# Altium PCB GSHT_V1.4_PCB.PcbDoc (part 1 of 2) (continued)
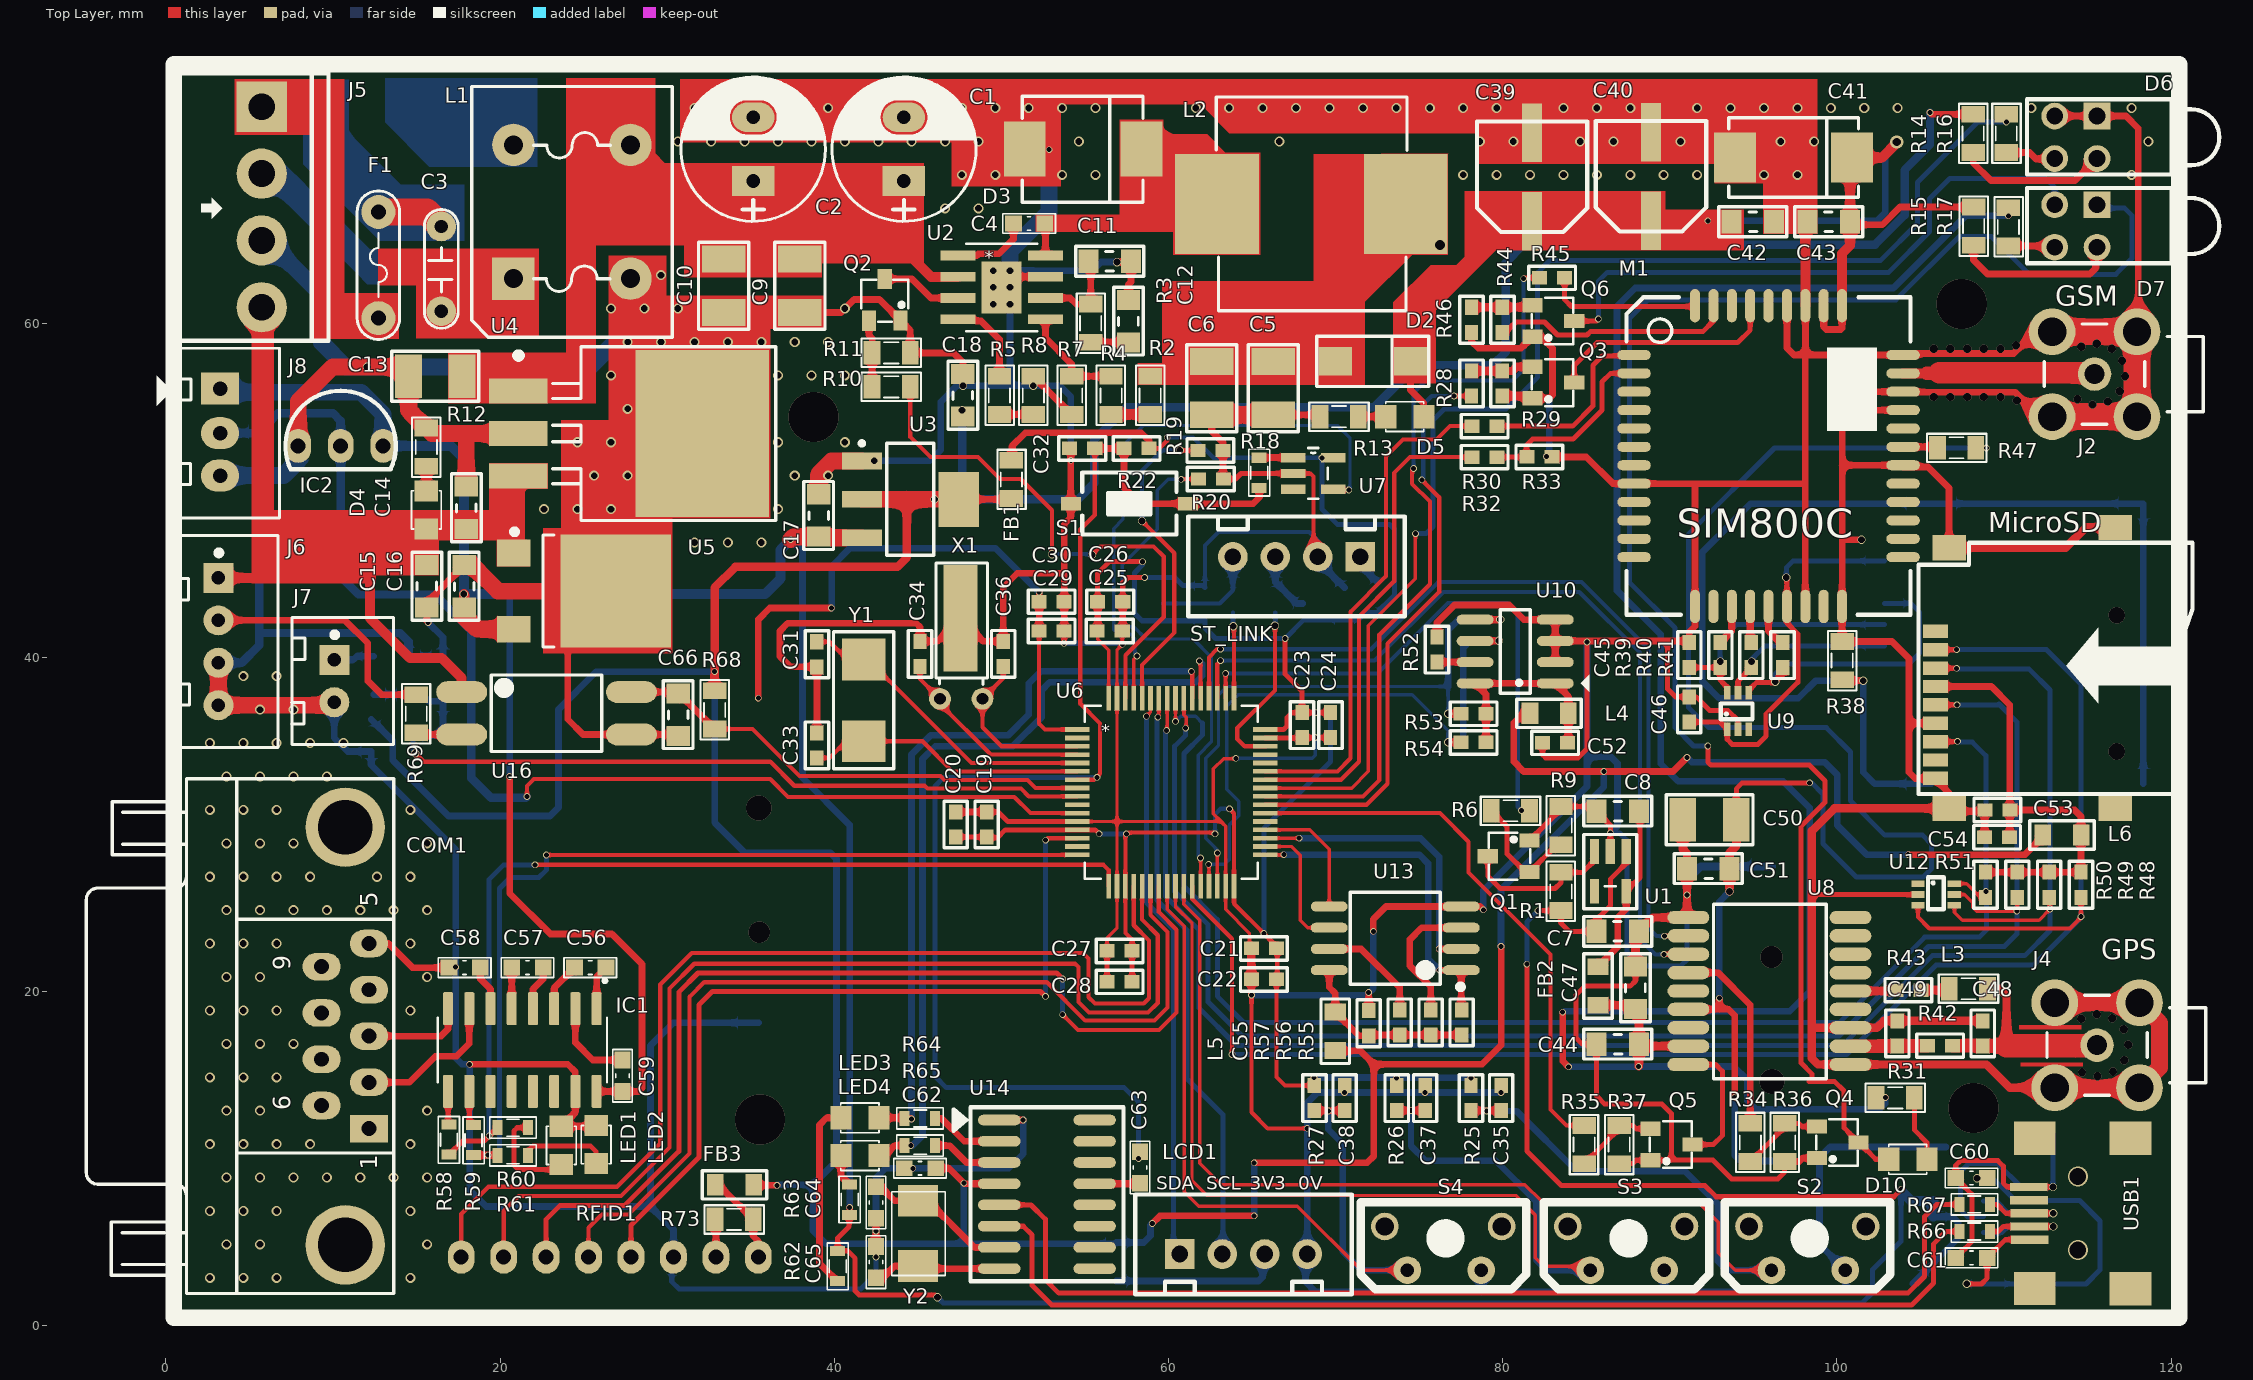
[diagram p0: Top Layer view]
## Footprints (in the part's own frame and the unit in brackets; to place one, negate y for a bottom-side part, rotate by r counter-clockwise, add the part's x,y. Pads: shape width x height; smd on the part's side, far side on the other; paste and mask are expansions set on the pad)
ABM7_v1_1_BIG [mm]
  rect 2.5x2.6 smd: 1(-2.45,0) 2(2.45,0)
  silkscreen extent -4.1,-1.8 4.1,1.8, body extent -3.1,-1.85 3.1,1.85, height 1.45
Antenna-MCX5.08-H5 [mm]
  round 2 hole 1.2: 1(0,0)
  round 2.8 hole 1.7: 2(-2.54,2.54) 2(-2.54,-2.54) 2(2.54,2.54) 2(2.54,-2.54)
  silkscreen extent -6.5,-3 3,3, body extent -11.6,-3.5 3.5,3.5, height 9.86
"BUTTON NGHIENG" [mil] "BUTTON NGHIENG"
  round 65 hole 43.31: 0(-123,93) 0(152,93)
  round 65 hole 31.5: 1(-70,-10) 2(104,-10)
  silkscreen extent -180,-55 210,150, body extent -150,-348 180,200, height 494
"C0603 SMT" [mm]
  rect 0.9x0.8 smd: 1(-0.75,0) 2(0.75,0)
  silkscreen extent -1.4,-0.7 1.4,0.7, body extent -0.8,-0.42 0.8,0.44, height 0.95
C_7343_40 [mm]
  rect 2.5x3 smd: 1(0,0) 2(7,0)
  silkscreen extent -0.38,-2.39 7.39,2.36, body extent -0.3,-2.3 7.3,2.3, height 4
C_Alu_6.3x7.7 [mm]
  rect 1.2x3.5 smd: 1(0,0) 2(0,-5.3)
  silkscreen extent -3.3,-5.97 3.3,0.64, body extent -3.3,-6.17 3.3,0.83, height 3.91
CAP_0603 [mm]
  rect 1x0.95 smd mask+0.076: 1(-0.94,0) 2(0.94,0)
  silkscreen extent -1.57,-0.58 1.57,0.58, body extent -0.77,-0.39 0.83,0.41, height 0.9
CAP_0805 [mm]
  rect 1.2x1.4 smd: 1(-1.27,-0.025) 2(1.27,-0.025)
  silkscreen extent -2.03,-0.91 2.03,0.86, body extent -1.01,-0.66 1.01,0.61, height 0.61
CN2 [mil]
  round 70 hole 31: 1(0,0) 2(200,0)
  silkscreen extent -40,-40 240,40, body extent -54,-44 260,55, height 407
CON_2.54mm_2 [mm]
  rect 1.8x1.8 hole 0.8: 1(0,0)
  round 1.8 hole 0.8: 2(2.54,0)
  silkscreen extent -2.54,-2.57 5.08,3.56, body extent -2.45,-2.2 5.05,3.55, height 7
CON_2.54mm_4 [mm]
  rect 1.8x1.8 hole 0.8: 1(0,0)
  round 1.8 hole 0.8: 2(2.54,0) 3(5.08,0) 4(7.62,0)
  silkscreen extent -2.54,-2.54 10.16,3.56, body extent -2.4,-2.25 10,3.5, height 7
CON_4P [mil]
  rect 70x70 hole 39.37 unplated: 1(0,0)
  round 70 hole 39.37 unplated: 2(100,0) 3(200,0)
  round 70 hole 39.37 unplated mask+4: 4(300,0)
  silkscreen extent -105,-95 405,140, body extent -96,-90 396,134, height 276
CP1.5/3.4 [mil] "Tu hoa 220->470uF,16V, 470uF/16V,25V"
  rect 70x100 hole 32: 1(0,0)
  oval 70x100 hole 32: 2(150,0)
  silkscreen extent -95,-170 245,170, body extent -85,-157 230,157, height 446
"CR1220 SMD" [mm] "CR1220 SMD"
  rect 2.5x4 smd: 1(-0.229,-8.661) 2(-0.229,8.966)
  silkscreen extent -7.08,-6.48 6.63,7.21, body extent -7.6,-9.18 7.15,10.02, height 4.55
DDA8_3P1X2P4-M [mm]
  rect 2.083x0.584 smd: 1(-2.616,1.905) 2(-2.616,0.635) 3(-2.616,-0.635) 4(-2.616,-1.905) 5(2.616,-1.905) 6(2.616,-0.635) 7(2.616,0.635) 8(2.616,1.905)
  round 0.8 hole 0.4: 9(-0.5,-1) 9(-0.5,0) 9(-0.5,1) 9(0.5,-1) 9(0.5,0) 9(0.5,1)
  rect 2.4x3.1 smd: 9(0,0)
  silkscreen extent -2.12,-2.62 2.12,2.62, body extent -3.1,-2.49 3.1,2.49, height 1.68
"DO-214AB SMA" [mm]
  rect 2x1.7 smd: 1(-0.092,0) 2(4.408,0)
  silkscreen extent -1.2,-1.5 5.5,1.51, body extent -0.37,-1.35 4.63,1.35, height 2.28
"DO-214AB SMC" [mm]
  rect 2.5x3.3 smd: 1(-0.092,0) 2(6.9,0)
  silkscreen extent -0.25,-3.17 6.98,3.17, body extent -0.7,-3.2 7.43,3.1, height 2.67
"DSB 9-F" [mil] "COM FMALE - D Subminiature; 9 Position; Right Angle; Pitch 1.385 mm"
  rect 65x90 hole 35: 1(-218.11,-55.91)
  oval 65x90 hole 35: 2(-109.06,-55.91) 3(0,-55.91) 4(109.05,-55.91) 5(218.11,-55.91) 6(-163.58,55.91) 7(-54.53,55.91) 8(54.53,55.91) 9(163.58,55.91)
  round 187.4 hole 128.35: 10(-491.93,0) 11(491.93,0)
  silkscreen extent -606,-114 606,610, body extent -604,-138 608,613, height 495
FUSE2 [mil]
  round 80 hole 35: 1(0,0) 2(250,0)
  silkscreen extent -50,-50 300,50
"GPS L70" [mm]
  oval 2.5x0.8 smd: 1(0,0) 2(0,-1.1) 3(0,-2.2) 4(0,-3.3) 5(0,-4.4) 6(0,-5.5) 7(0,-6.6) 8(0,-7.7) 9(0,-8.8) 10(9.7,-8.8) 11(9.7,-7.7) 12(9.7,-6.6) 13(9.7,-5.5) 14(9.7,-4.4) 15(9.7,-3.3) 16(9.7,-2.2) 17(9.7,-1.1) 18(9.7,0)
  silkscreen extent 1.5,-9.65 8.25,0.8, body extent 0,-9.45 9.7,0.65, height 2.52
Header3 [mil] "CON 3"
  rect 75x90 hole 34: 1(-5,0)
  oval 75x90 hole 34: 2(100,0) 3(200,0)
  silkscreen extent -100,-150 300,140, body extent -95,-90 295,136, height 276
Hed4V_3.96 [mm]
  rect 3x3 hole 1.6 mask+0.102: 1(0,0)
  round 3 hole 1.6 mask+0.102: 2(4,0) 3(8,0) 4(12,0)
  silkscreen extent -2,-5 14,4, body extent -1.93,-4.67 13.91,4.93, height 13.9
"L01 SMD 12*12*6" [mm]
  rect 5x6 smd: 1(-5.65,0) 2(5.65,0)
  silkscreen extent -5.69,-6.4 5.71,6.4, body extent -6.9,-6.4 6.9,6.4, height 7.5
"L2 UF9.8" [mm]
  rect 2.54x2.54 hole 1.143: 1(0,0)
  round 2.54 hole 1.143: 2(7,0) 3(7,8) 4(0,8)
  silkscreen extent -2.5,-3.5 9.5,11.5
"LED 2 holder 3mm" [mm]
  rect 1.6x1.6 hole 1: 1(0,0)
  round 1.6 hole 1: 2(0,2.54) 3(2.54,0) 4(2.54,2.54)
  silkscreen extent -7.32,-1 4.19,3.5, body extent -7.28,-0.9 3.72,3.42, height 9.65
LED-0805-Green [mil]
  rect 50x55 smd: 1(0,0) 2(90,0)
  silkscreen extent 0,-35 90,35, body extent 5,-25 85,25, height 43
LED-0805-Red [mil]
  rect 50x55 smd: 1(0,0) 2(90,0)
  silkscreen extent 0,-35 90,35, body extent 5,-25 85,25, height 43
LED-0805-Yellow [mil]
  rect 50x55 smd: 1(0,0) 2(90,0)
  silkscreen extent 0,-35 90,35, body extent 5,-25 85,25, height 43
LQFP-64 [mil]
  rect 58x11 smd: 1(-221.5,147.64) 2(-221.5,127.95) 3(-221.5,108.27) 4(-221.5,88.58) 5(-221.5,68.9) 6(-221.5,49.21) 7(-221.5,29.53) 8(-221.5,9.84) 9(-221.5,-9.84) 10(-221.5,-29.53) 11(-221.5,-49.21) 12(-221.5,-68.9) 13(-221.5,-88.58) 14(-221.5,-108.27) 15(-221.5,-127.95) 16(-221.5,-147.64) 33(221.5,-147.64) 34(221.5,-127.95) 35(221.5,-108.27) 36(221.5,-88.58) 37(221.5,-68.9) 38(221.5,-49.21) 39(221.5,-29.53) 40(221.5,-9.84) 41(221.5,9.84) 42(221.5,29.53) 43(221.5,49.21) 44(221.5,68.9) 45(221.5,88.58) 46(221.5,108.27) 47(221.5,127.95) 48(221.5,147.64)
  rect 11x58 smd: 17(-147.64,-221.5) 18(-127.95,-221.5) 19(-108.27,-221.5) 20(-88.58,-221.5) 21(-68.9,-221.5) 22(-49.21,-221.5) 23(-29.53,-221.5) 24(-9.84,-221.5) 25(9.84,-221.5) 26(29.53,-221.5) 27(49.21,-221.5) 28(68.9,-221.5) 29(88.58,-221.5) 30(108.27,-221.5) 31(127.95,-221.5) 32(147.64,-221.5) 49(147.64,221.5) 50(127.95,221.5) 51(108.27,221.5) 52(88.58,221.5) 53(68.9,221.5) 54(49.21,221.5) 55(29.53,221.5) 56(9.84,221.5) 57(-9.84,221.5) 58(-29.53,221.5) 59(-49.21,221.5) 60(-68.9,221.5) 61(-88.58,221.5) 62(-108.27,221.5) 63(-127.95,221.5) 64(-147.64,221.5)
  silkscreen extent -204,-204 204,204, body extent -236,-236 236,236, height 63
MAX232DR [mm] "SOP-16 MAX232DR"
  rrect25% 1.97x0.6 smd: 1(-2.5,4.394) 2(-2.5,3.124) 3(-2.5,1.854) 4(-2.5,0.584) 5(-2.5,-0.686) 6(-2.5,-1.956) 7(-2.5,-3.226) 8(-2.5,-4.496) 9(2.45,-4.496) 10(2.45,-3.226) 11(2.45,-1.956) 12(2.45,-0.686) 13(2.45,0.584) 14(2.45,1.854) 15(2.45,3.124) 16(2.45,4.394)
  silkscreen extent -4.27,-5.12 1.92,5.01, body extent -3.03,-5.03 2.97,4.87, height 1.75
MICROSD2 [mm]
  rect 0.8x1.5 smd: 1(-2.184,-5.039) 2(-1.084,-5.039) 3(0.016,-5.039) 4(1.116,-5.039) 5(2.216,-5.039) 6(3.316,-5.039) 7(4.416,-5.039) 8(5.516,-5.039) 9(6.616,-5.039)
  rect 1.5x2 smd: 10(8.407,-4.235) 11(8.407,5.715) 12(-8.407,5.715) 13(-7.188,-4.235)
  silkscreen extent -7.49,-6.07 7.54,10.33, body extent -7.49,-4.56 7.54,12.62, height 1.85
MICROSIM_PUSH [mm] "MICROSIM_PUSH"
  rect 0.8x2.3 smd: 1(6.452,-9.246) 2(5.182,-9.246) 3(3.912,-9.246) 4(2.642,-9.246) 5(1.372,-9.246) 6(0.102,-9.246)
  rect 1.8x3 smd: 7(-8.153,-6.452) 7(-8.153,6.248) 7(8.611,-6.452) 7(8.611,6.248)
  silkscreen extent -8.15,-9.25 8.36,8.28, body extent -8.12,-9.3 8.28,7.9, height 1.35
PC817x1SMD [mm] "SMD"
  oval 3.048x1.3 smd: 1(0,0) 2(0,-2.54) 3(10.16,-2.54) 4(10.16,0)
  silkscreen extent 1.78,-3.56 8.38,1.02, body extent 0.08,-3.56 10.08,1.02, height 3.87
"R0603 -SMT" [mm]
  rect 0.9x0.8 smd: 1(-0.8,0) 2(0.7,0)
  silkscreen extent -1.45,-0.7 1.35,0.7, body extent -0.85,-0.4 0.85,0.4, height 0.56
R0805 [mm]
  rect 1x1.27 smd: 1(-1.125,-0.011) 2(1.175,-0.011)
  silkscreen extent -1.91,-0.86 1.96,0.84, body extent -1.1,-0.69 1.2,0.66, height 0.76
RES-SMD-0603 [mm]
  rect 0.6x0.9 smd: 1(-0.889,0) 2(0.927,0)
  silkscreen extent -1.4,-0.64 1.4,0.64, body extent -0.8,-0.4 0.8,0.4, height 0.43
RES-SMD-0805 [mil]
  rect 39.37x55 smd: 1(-45,0) 2(45,0)
  silkscreen extent -70,-34 70,33, body extent -39,-25 39,25, height 31
"RFID RC522" [mm] "RFID RC522"
  oval 1.6x2 hole 0.9: 1(-8.89,0) 2(-6.35,0) 3(-3.81,0) 4(-1.27,0) 5(1.27,0) 6(3.81,0) 7(6.35,0) 8(8.89,0)
  body extent -19.43,-2.03 20.57,57.97, height 15.74
SIM800C [mm]
  oval 2x0.6 smd: 1(-8.05,6.05) 2(-8.05,4.95) 3(-8.05,3.85) 4(-8.05,2.75) 5(-8.05,1.65) 6(-8.05,0.55) 7(-8.05,-0.55) 8(-8.05,-1.65) 9(-8.05,-2.75) 10(-8.05,-3.85) 11(-8.05,-4.95) 12(-8.05,-6.05) 22(8.05,-6.05) 23(8.05,-4.95) 24(8.05,-3.85) 25(8.05,-2.75) 26(8.05,-1.65) 27(8.05,-0.55) 28(8.05,0.55) 29(8.05,1.65) 30(8.05,2.75) 31(8.05,3.85) 32(8.05,4.95) 33(8.05,6.05)
  oval 0.6x2 smd: 13(-4.4,-9) 14(-3.3,-9) 15(-2.2,-9) 16(-1.1,-9) 17(0,-9) 18(1.1,-9) 19(2.2,-9) 20(3.3,-9) 21(4.4,-9) 34(4.4,9) 35(3.3,9) 36(2.2,9) 37(1.1,9) 38(0,9) 39(-1.1,9) 40(-2.2,9) 41(-3.3,9) 42(-4.4,9)
  silkscreen extent -8.5,-9.5 8.5,9.5, body extent -7.85,-8.8 7.85,8.8, height 1.9
SM-1210 [mm]
  rect 1.6x2.6 smd: 1(0,0) 2(3.2,0)
  silkscreen extent -1,-1.5 4.2,1.5, body extent 0,-1.25 3.2,1.25, height 2.5
SO16 [mm]
  oval 2.54x0.635 smd: 1(-2.854,4.445) 2(-2.854,3.175) 3(-2.854,1.905) 4(-2.854,0.635) 5(-2.854,-0.635) 6(-2.854,-1.905) 7(-2.854,-3.175) 8(-2.854,-4.445) 9(2.854,-4.445) 10(2.854,-3.175) 11(2.854,-1.905) 12(2.854,-0.635) 13(2.854,0.635) 14(2.854,1.905) 15(2.854,3.175) 16(2.854,4.445)
  silkscreen extent -5.59,-5.21 4.57,5.21, body extent -3.47,-4.95 3.47,4.95, height 1.75
SO-8 [mm] "8-Pin Small Outline Integrated Circuit 1.27 mm Pitch, IPC Medium Density"
  oval 2.2x0.6 smd: 1(-2.4,1.905) 2(-2.4,0.635) 3(-2.4,-0.635) 4(-2.4,-1.905) 5(2.4,-1.905) 6(2.4,-0.635) 7(2.4,0.635) 8(2.4,1.905)
  silkscreen extent -4.44,-2.5 0.9,2.5, body extent -2.89,-2.43 3.15,2.59, height 1.6
"SO-8 208" [mm]
  oval 2.2x0.6 smd: 1(-3.95,1.905) 2(-3.95,0.635) 3(-3.95,-0.635) 4(-3.95,-1.905) 5(3.95,-1.905) 6(3.95,-0.635) 7(3.95,0.635) 8(3.95,1.905)
  silkscreen extent -4.03,-2.75 2.7,3.02, body extent -4.1,-2.7 4.1,2.7, height 2.2
SOT23 [mm] "SOT 23 _ 1-3-2"
  rect 0.85x1.2 smd: 1(-0.94,-1.245) 2(0.985,-1.25) 3(0.005,1.25)
  silkscreen extent -0.88,-0.25 -0.64,0, body extent -1.47,-1.33 1.53,1.17, height 1.06
SOT23-6 [mm] "SOT23, 5-Leads, Body 3.0x3.0mm (max), Pitch 0.95mm, IPC Medium Density"
  rect 1.5x0.6 smd: 1(-1.5,0.95) 2(-1.5,0) 3(-1.5,-0.95) 4(1.5,-0.95) 5(1.5,0) 6(1.5,0.95)
  silkscreen extent -2.54,-2.11 2.54,2.11, body extent -1.75,-1.52 1.75,1.53, height 1.45
SOT23B [mm]
  rect 0.85x1.2 smd: 1(0.94,-1.245) 2(0,1.25) 3(-0.95,-1.25)
  silkscreen extent -1.4,-1.3 1.4,1.2, body extent -1.5,-1.3 1.5,1.2, height 1.06
SOT223-4N [mm]
  rect 2.4x1 smd: 1(-2.9,2.3) 2(-2.9,0) 3(-2.9,-2.3)
  rect 2.4x3.3 smd: 4(2.9,0)
  silkscreen extent -3.02,-3.35 1.4,3.47, body extent -3.39,-3.27 3.5,3.23, height 1.72
SOT_363_6 [mm]
  rect 0.8x0.4 smd: 1(-2.179,0) 2(-2.179,-0.65) 3(-2.179,-1.3) 4(0,-1.3) 5(0,-0.65) 6(0,0)
  silkscreen extent -1.57,-1.52 -0.63,0.38, body extent -2.29,-1.76 0.11,0.44, height 1.1
SW-SMD [mm] "Switch SMD type"
  rect 1.2x0.8 smd: 1(-3.5,0) 2(3.5,0)
  silkscreen extent -2.82,-1.85 2.82,1.85, body extent -3.05,-1.85 3.05,1.85, height 2.5
TLV70233_3.3V [mil]
  rect 58x22 smd: 1(0,0) 2(0,-37.4) 3(0,-74.8) 4(94,-74.8) 5(94,0)
  silkscreen extent -40,-100 135,25, body extent -10,-95 102,20, height 41
TO92 [mil] "TO, Flat Index; 3 In-Line, Axial Leads; Body Dia. 4.8mm"
  oval 80x60 hole 35.43: 1(0,-100) 2(0,0) 3(0,100)
  silkscreen extent -130,-130 55,130, body extent -95,-104 66,114, height 336
TO252-3L [mm]
  rect 2x1.6 smd: 1(-4.3,2.28) 3(-4.3,-2.28)
  rect 6.6x6.75 smd: 2(1.8,0)
  silkscreen extent -4.37,-3.35 -1.9,3.67, body extent -4.91,-3.27 5.03,3.27, height 2.34
TO-263-4 [mm]
  rect 3.5x1.5 smd: 1(0,-2.54) 2(0,0) 3(0,2.54)
  rect 8x10 smd: 4(-11,0)
  silkscreen extent -15.4,-5.2 0.12,5.2, body extent -13.97,-5 1.7,5, height 4.78
TPS3828 [mil]
  rect 58x22 smd: 1(-2,37.4) 2(-2,0) 3(-2,-37.4) 4(92,-37.4) 5(92,37.4)
  silkscreen extent 33,-60 80,60, body extent -16,-58 96,57, height 50
USB-B-Mini [mm]
  rect 2x2.5 smd: 0(-4.5,0) 0(-4.496,5.74) 0(4.5,0) 0(4.504,5.74)
  rect 0.5x2.25 smd: 1(1.575,-0.305) 2(0.787,-0.317) 3(0,-0.33) 4(-0.787,-0.343) 5(-1.575,-0.356)
  body extent -5.35,-0.67 5.35,8.53, height 3.95
XT32kn [mm]
  round 1.3 hole 0.7: 1(0,0) 2(0,2.54)
  rect 6.35x2.032 smd: 3(4.826,1.321)
  silkscreen extent 0.86,-0.3 8.13,2.77, body extent -0.25,0.12 8.1,2.42, height 1.95
XTAL-5032 [mm] "SMD 5032 XTAL Footprint"
  rect 1.9x2.4 smd: 1(-1.981,0) 2(1.93,0)
  silkscreen extent -2.51,-1.57 2.49,1.63, body extent -2.5,-1.6 2.5,1.6, height 1.31

## Part data
BT1 BT2: "Battery 3VDC"
C1 C2: library part CP3, "Cap 100uF/35V - 470uF/16V", Description 1="1000uF/6,3V - 470uF/16V - 330uF - 25V", Description 2="220uF/35V - 100uF/50V - 63V - 4,7uF/200V", Description 3="22uF => 33uF100V - 3,3uF => 4,7uF/250V", Description 4="2,2uF =>3,3uF/350 - 2,2uF/400V - 1uF/450V"
C3: library part CN, Designed by=VanDungEvn
C4 C5 C6 C7 C8 C11 C12 C14 C15 C16 C17 C18: library part CM_1, "Cap SMD"
C9 C10 C13: library part CM, "CAP CER 2.2UF 100V X7R 1210  445-4498-2-ND"
C19 C20 C21 C22 C23 C24 C25 C26 C27 C28 C29 C30 C31 C32 C33 C34 C35 C36 C37 C38 C42 C43 C44 C45 C46 C47 C48 C49 C50 C51 C52 C53 C54 C55 C67: library part CM, "Cap SMD"
C39 C40: library part C-Alu-Tantalum, "Cap Aluminum", Description 1="10 => 220uF/6,3V/10V - 10uF => 100uF/16V", Description 2="0,1uF => 33uF/50V - 10uF => 22uF/63V", Description 3="0,47uF => 10uF/100V"
C41: library part C-Alu-Tantalum, "Cap Tantalum 7343", Description 1="10 => 220uF/6,3V/10V - 10uF => 100uF/16V", Description 2="0,1uF => 33uF/50V - 10uF => 22uF/63V", Description 3="0,47uF => 10uF/100V"
C56 C57 C58 C59 C60 C61 C62 C63 C64 C65 C66: library part CapSMD, "Capacitor", LatestRevisionDate=17-Jul-2002, LatestRevisionNote="Re-released for DXP Platform.", PackageReference=RAD-0.3, Published=8-Jun-2000, Publisher="Altium Limited"
COM1: library part DSB9F, "COM 9", PackageDocument=O, DatasheetDocument=1-Sep-1999, Gender=Receptacle, LatestRevisionDate=17-Jul-2002, LatestRevisionNote="Re-released for DXP Platform.", Orientation="Right Angle", PackageReference=788750, Positions=9, Published=15-Jun-2001, Publisher="Altium Limited"
D1 D3: library part D5A, "DIODE SCHOTTKY 60V 5A SMC"
D2: library part D1A, "DIODE SCHOTTKY 40V 3A SMC"
D4 D5 D10: library part LED, "LED Single colour Green and Red"
D6 D7: library part LED2Holder_3mm, "LED 2 holder RGB 3mm"
D8 D9 D12: "ZENER, SOT23,", Current - Average Rectified (Io) (per Diode)=200mA, Current - Reverse Leakage @ Vr="2.5µA @ 70V", Manufacturer="ON Semiconductor / Fairchild", Manufacturer Part Number=BAV99, Package / Case="TO-236-3, SC-59, SOT-23-3", Standard Package=1, Supplier Device Package="SOT-23-3 (TO-236)", Supplier Part Number 1=BAV99FSCT-ND, Voltage - DC Reverse (Vr) (Max)=70V, Voltage - Forward (Vf) (Max) @ If="1.25V @ 150mA", .CheckPCB=LeKhaLinh, .CheckSCH=LeKhaLinh, .Creator=LeKhaLinh, Category="Discrete Semiconductor Products", ComponentLink1Description=https://www.fairchildsemi.com/package-drawings/MA/MA03B.pdf?src-supplier=Digi-Key, ComponentLink1URL=https://www.fairchildsemi.com/package-drawings/MA/MA03B.pdf?src-supplier=Digi-Key, ComponentLink2Description=http://www.farnell.com/datasheets/1822674.pdf?src-supplier=Element14, ComponentLink2URL=http://www.farnell.com/datasheets/1822674.pdf?src-supplier=Element14, ComponentLink3Description=http://www.mouser.com/ds/2/149/BAV99-22788.pdf?src-supplier=Mouser, ComponentLink3URL=http://www.mouser.com/ds/2/149/BAV99-22788.pdf?src-supplier=Mouser, ComponentLink4Description=http://www.fairchildsemi.com/ds/BA/BAV99.pdf?src-supplier=Avnet+Europe, ComponentLink4URL=http://www.fairchildsemi.com/ds/BA/BAV99.pdf?src-supplier=Avnet+Europe, ComponentLink5Description=https://www.verical.com/server-webapp/html/getDatasheet?partID=110217&src-supplier=Verical, ComponentLink5URL=https://www.verical.com/server-webapp/html/getDatasheet?partID=110217&src-supplier=Verical, ComponentLink6Description=http://www.farnell.com/datasheets/2304409.pdf?src-supplier=Element14, ComponentLink6URL=http://www.farnell.com/datasheets/2304409.pdf?src-supplier=Element14, Diode Configuration="1 Pair Series Connection", Diode Type=Standard, Family="Diodes, Rectifiers - Arrays", Mounting Type="Surface Mount", Online Catalog="Diode Array", Other Drawings="Diode Circuit", Other Names=BAV99FSDKR, Packaging=Digi-Reel®, PCN Assembly/Origin="SOT23 Manufacturing Source 31/May2013 /  / Assembly Site Addition 20/Jul/2015", PCN Design/Specification="Mold Compound 12/Dec/2007", PCN Packaging="Binary Year Code Marking 15/Jan/2014", Pricing 1="1=0.26, 10=0.21, 100=0.1115, 500=0.0734, 1000=0.0499 (USD)", Pricing 3="1=0.1933, 10=0.1873, 25=0.1555, 100=0.0806, 250=0.0724, 500=0.0523, 1000=0.0428, 3000=0.0342 (USD)", Reverse Recovery Time (trr)=6ns, Speed="Small Signal =", Stock 1=1165, Stock 2=0, Stock 3=5700, Supplier 1=Digi-Key, Supplier 2=Mouser, Supplier 3=Arrow, Supplier Part Number 2=512-BAV99, Supplier Part Number 3=BAV99
D11: library part D1A_1, "Diode 1A"
F1: library part Fuse, "PTC RESET FUSE 60V 3A RADIAL", Designed by=VanDungEvn
FB1 FB2 FB3 FB4: library part "Ferrite Bead", "Ferrite Bead"
IC1: "Dual EIA-232 Driver/Receiver"
IC2: library part DS18S20, "High Precision  1-Wire® Digital Thermometer"
J2 J4: library part ANTEN
J5: library part Hed4, "Header 4 (Green)"
J6: library part Con4, "Connector 4"
J7: library part Con2, "Connector 2"
J8: library part Header3, "Header IDC, 3 x 1 Pin Vertical 2.54mm Pitch (Non-Boxed, Male)", Manufacturer="W¨¹rth Elektronik eiSos GmbH", partNo=613002143121, ComponentLink1 Description=Manufacturer, ComponentLink1URL=http://www.we-online.com, ComponentLink2 Description=Datasheet, ComponentLink2URL=http://katalog.we-online.de/em/datasheet/6130xx143121.pdf, Created by="Karrer Zheng", Created Date="29 March 2013", NoPins=02
L1: library part L2x220, "Inductor", Designed by=VanDungEvn
L2: library part L1, "FIXED IND 6.2UH 5.7A 22.4 MOHM"
L3: library part L1, "Inductor"
L4 L5 L6: library part "Ferrite Bead", "100uH 0805"
LED1 LED2 LED3 LED4: "LED Single colour Green and Red"
MicroSD: library part MicroSD, "SD/MMC holder", Name=SD/MMC, Price=10000
Q1 Q2 Q3 Q4 Q5 Q6: "NPN 600mW, ECB", =C2383
R1 R2 R3 R4 R5 R6 R7 R8 R9 R10 R11 R12 R13 R14 R15 R16 R17 R18 R19 R20 R21 R22 R23 R24 R25 R26 R27 R28 R29 R30 R31 R32 R33 R34 R35 R36 R37 R38 R39 R40 R41 R42 R43 R44 R45 R46 R47 R48 R49 R50 R51 R52 R53 R54 R55 R56 R57 R66 R67 R68 R69 R70 R71 R72 R73: library part RM, "Resistor SMD"
R58 R59 R60 R61 R62 R63 R64 R65: library part "Resistor - SMD", "Resistor", Manufacturer="Generic Components", Class=Passive, Published=08/06/2000, Publisher="Altium Hobart Technology Centre"
RFID1: library part "RFID RC522"
S1 S2 S3 S4: "Switch", LatestRevisionDate=17-Jul-2002, LatestRevisionNote="Re-released for DXP Platform.", PackageReference=SPST-2, Published=24-Mar-1999, Publisher="Altium Limited"
ST_LINK: library part Header4, "Header IDC, 4 x 1 Pin Vertical 2.54mm Pitch (Non-Boxed, Male)", Manufacturer="W¨¹rth Elektronik eiSos GmbH", partNo=613002143121, ComponentLink1 Description=Manufacturer, ComponentLink1URL=http://www.we-online.com, ComponentLink2 Description=Datasheet, ComponentLink2URL=http://katalog.we-online.de/em/datasheet/6130xx143121.pdf, Created by="Karrer Zheng", Created Date="29 March 2013", NoPins=02
U1: library part TLV70233_3.3V
U2: "REG BUCK SPLIT RAIL 8SOPWRPAD", Built_By=EMA_UL_Team, C="Copyright (C) 2015 Accelerated Designs. All rights reserved", Manufacturer_Part_Number=TPS54360DDA, Vendor="TEXAS INSTRUMENTS"
U3: library part LM1117, "3v3"
U4: library part LM78xx_1, =LM7808
U5: library part LM78xx, "On ap +, from + 5 to + 24VDC", =LM7808
U6: "MCU 32BIT 256KB FLASH 64LQFP"
U9 U12: "ESD Protection"
U10: library part AT24Cxx
U13: library part W25Q32JV, "FLASH 32MBIT 133MHZ 8SOP"
U14: "High and Low Side Driver", ComponentLink1Description="Manufacturer Link", ComponentLink1URL=http://www.irf.com/, ComponentLink2Description=Datasheet, ComponentLink2URL=http://www.irf.com/product-info/datasheets/data/ir2110.pdf, DatasheetVersion=PD60147J, LatestRevisionDate=04-Mar-2005, LatestRevisionNote="Stylized 3D Model Added.", Note="Pins 4, 8 and 14 are not connected", PackageDescription="DIP; 14 Leads; Row Spacing 7.62 mm; Pitch 2.54 mm", PackageReference=PDIP14, Published=8-Jun-2000, Publisher="Altium Limited"
U15: "TVS DIODE 5V"
U16: "Single Opto"
USB1: library part USB-M
X1: library part XT32k, "Crystal 32,768kHz for timer real"
Y1: library part ABM7-16.000MHZ-D2Y-T, "CRYSTAL 16MHZ 18PF SMD", ESR (Equivalent Series Resistance)="50 Ohm", Frequency=16MHz, Frequency Stability=±30ppm, Frequency Tolerance=±20ppm, Load Capacitance=18pF, Manufacturer="Abracon LLC", Operating Mode=Fundamental, Operating Temperature="-40°C ~ 85°C", Package / Case=2-SMD, Ratings=-, Supplier Part Number 1=535-9840-1-ND, .Checked PCB=RF, .Checked SCH=RF, .Creator=MM, Category="Crystals and Oscillators", ComponentLink1Description=http://www.abracon.com/Resonators/abm7.pdf, ComponentLink1URL=http://www.abracon.com/Resonators/abm7.pdf, Height="0.055\" (1.40mm)", Manufacturer Part Number=ABM7-16.000MHZ-D2Y-T, Mounting Type="Surface Mount", Packaging="Cut Tape (CT)", Pricing 1="1=0.96, 10=0.847, 50=0.791, 100=0.7, 500=0.6615 (USD)", RoHS="RoHS Compliant", Size / Dimension="0.236\" L x 0.138\" W (6.00mm x 3.50mm)", Stock 1=5861, Supplier 1=Digi-Key, Type="MHz Crystal"
Y2: library part XTAL, "Crystal Oscillator", LatestRevisionDate=17-Jul-2002, LatestRevisionNote="Re-released for DXP Platform.", PackageReference=R38, Published=8-Jun-2000, Publisher="Altium Limited"

## Via types
v1: diameter 0.6, hole 0.4, Top Layer to Bottom Layer, 177 vias
v2: diameter 0.4, hole 0.3, Top Layer to Bottom Layer, 126 vias
v3: diameter 0.5, hole 0.4, Top Layer to Bottom Layer, 32 vias
v4: diameter 0.5, hole 0.5, Top Layer to Bottom Layer, 30 vias
v5: diameter 3, hole 3, Top Layer to Bottom Layer, 4 vias
v6: diameter 1, hole 1, Top Layer to Bottom Layer, 2 vias
v7: diameter 1.3, hole 1.3, Top Layer to Bottom Layer, 2 vias
v8: diameter 1.5, hole 1.5, Top Layer to Bottom Layer, 2 vias
v9: diameter 1.2, hole 1, Top Layer to Bottom Layer, 2 vias
v10: diameter 0.8, hole 0.6, Top Layer to Bottom Layer, 1 vias
v11: diameter 0.8, hole 0.5, Top Layer to Bottom Layer, 1 vias

## Nets (pads, with @x,y where several pads share a name; then routed paths per layer and width w, separated by ;. In a path a pad name is that pad's centre, name@x,y a point inside that pad or via, vN(x,y) a via of type N, cw(c..) or ccw(c..) an arc to the next point about the centre after c; other vN are vias at no path point)
+3V3: C18.2 C62.2 D12.2 FB1.1 FB3.1 FB4.1 L4.1 L5.1 L6.1 R14.2 R68.2 U3.2 U3.4 U14.4 | length 311.2
  Top Layer w0.4: FB3.1@35.179,8.433 35.204,8.407 v2(36.576,8.407) ; C62.2@46.076,9.423 46.863,9.423 v2(47.752,8.534) 47.784,8.502 U14.4@49.877,8.502 ; U3.4@47.452,49.454 50.241,49.454 FB1.1@50.267,49.479 ; v2(59.03,6.121) 59.487,6.579 v2(65.126,6.579) ; v2(65.126,9.754) 71.882,9.754 72.288,10.16 72.288,15.646 ; L5.1@69.976,16.472 69.976,16.45 71.485,16.45 72.288,15.646 ; v2(79.903,22.708) 79.908,22.702 79.908,16.785 78.77,15.646 72.288,15.646 ; L4.1@81.629,36.652 81.255,36.652 80.67,36.068 80.67,33.757 81.255,33.172 v2(86.055,33.172) 90.195,33.172 v2(91.034,34.011) ; v2(104.267,28.194) 111.252,28.194 112.319,29.261 L6.1@112.319,29.362 ; v2(105.575,72.606) 105.689,72.492 R14.2@108.153,72.492
  Top Layer w0.5: R68.2@32.842,37.998 v2(32.842,39.141) 32.842,44.171 34.087,45.415 43.783,45.415 44.348,45.981 44.348,49.454
  Top Layer w1: U3.2@41.652,49.454 44.348,49.454 v3(45.999,49.454) U3.4@47.452,49.454
  Bottom Layer w0.4: D12.2@12.288,36.291 13.589,34.991 13.589,33.833 16.916,30.505 22.987,30.505 23.495,31.013 23.495,36.881 25.756,39.141 v2(32.842,39.141) 32.842,30.124 34.671,28.296 39.776,28.296 40.132,27.94 40.132,9.855 38.71,8.433 ; v2(36.576,8.407) 36.601,8.433 38.71,8.433 ; v2(47.752,8.534) 47.752,4.902 ; v2(59.03,6.121) 58.928,6.02 58.928,5.385 58.522,4.978 FB4.1@56.871,4.978 56.794,4.902 47.752,4.902 ; v2(65.126,6.579) v2(65.126,9.754) ; v2(79.903,22.708) 79.903,26.106 86.055,32.258 v2(86.055,33.172) ; v2(91.034,34.011) 91.313,33.731 99.263,33.731 100.025,32.969 100.025,29.947 101.778,28.194 v2(104.267,28.194) ; 38.71,8.433 38.71,5.715 39.522,4.902 47.752,4.902
  Bottom Layer w0.5: v3(45.999,49.454) 47.244,49.454 ; v3(47.65,54.788) 47.65,49.86 47.244,49.454 ; v2(105.575,72.606) 105.575,70.675 104.057,69.157 104.057,66.465 102.286,64.694 81.255,64.694 80.188,63.627 80.188,58.268 79.4,57.48 74.828,57.48 72.314,54.966 57.506,54.966 55.55,53.01 55.55,50.419 54.585,49.454 47.244,49.454
+3V3_EEPROM: C52.2 L4.2 R53.1 R54.1 U10.1 U10.8 | length 12.5
  Top Layer w0.4: R54.1@79.007,34.911 R53.1@79.007,36.625 79.007,37.783 U10.8@78.347,38.443 U10.1@83.147,38.443 83.929,37.661 L4.2@83.929,36.652 83.929,34.929 C52.2@83.884,34.885
+3V3_FLASH: C55.1 L5.2 R55.2 R56.2 R57.2 U13.8 | length 10.8
  Top Layer w0.4: U13.8@69.621,21.279 69.621,20.261 69.976,19.905 L5.2@69.976,18.772 71.394,17.354 C55.1@71.984,17.354 72.034,17.404 R57.2@73.838,17.404 R56.2@75.692,17.404 R55.2@77.546,17.404
+3V3_GPS: C8.2 FB2.1 U1.5 | length 10.4
  Top Layer w0.3: U1.5@87.39,25.994 88.214,26.818 88.214,30.733 C8.2@88.152,30.795
  Top Layer w0.4: FB2.1@85.703,21.483 86.878,22.658 86.878,24.419 87.39,24.932 U1.5@87.39,25.994
+3V3_LCD: FB4.2 LCD1.3 | length 10.4
  Bottom Layer w0.4: FB4.2@56.871,2.678 65.391,2.678 65.634,2.921 65.634,4.166 LCD1.3@65.761,4.293 LCD1.3@65.844,4.209
+3V3_MCU: C19.2 C20.2 C21.2 C22.2 C23.2 C24.2 C25.2 C26.2 C27.2 C28.2 D8.2 D9.2 FB1.2 R21.2 R22.2 R25.2 R26.2 R27.2 U6.13 U6.19 U6.32 U6.48 U6.64 U7.5 | length 147.2
  Top Layer w0.2: C25.2@55.765,41.619 55.765,41.085 56.423,40.428 U6.64@56.423,37.554
  Top Layer w0.25: v2@57.423,29.33 U6.19@57.423,26.302 57.423,23.502 57.824,23.101 ; v2@57.607,29.515 62.713,29.515 v2(62.789,29.439) ; R22.2@58.841,52.502 59.463,52.502 59.923,52.961 v2(59.923,53.162) ; v2(63.652,30.937) 63.923,30.667 U6.32@63.923,26.302 63.923,25.257 v2(65.71,23.47) 66.51,22.669 66.51,20.777 C22.2@66.46,20.726 66.46,14.896 66.98,14.376 R27.2@68.732,14.376
  Top Layer w0.3: C20.2@47.269,29.247 C19.2@49.124,29.247 49.161,29.21 49.773,29.21 50.241,29.678 U6.13@54.546,29.678 55.615,29.678 v2(55.855,29.439) ; C26.2@55.765,43.332 55.765,45.021 56.49,45.745 58.42,45.745 v2(58.445,45.72) ; C28.2@57.824,20.579 C27.2@57.824,22.433 57.824,23.101 ; U6.48@65.799,35.678 66.891,35.678 67.081,35.868 67.081,36.387 67.385,36.691 C23.2@67.996,36.691 ; v2(66.98,41.123) 66.98,38.989 67.996,37.973 C23.2@67.996,36.691 ; C24.2@69.698,36.691 v2(68.809,36.691) C23.2@67.996,36.691
  Top Layer w0.4: FB1.2@50.597,51.791 50.648,51.841 50.648,52.654 51.435,53.442 58.369,53.442 58.841,52.97 R22.2@58.841,52.502 ; C25.2@55.765,41.619 C26.2@55.765,43.332 ; v2(68.707,14.859) 68.707,14.834 68.732,14.808 R27.2@68.732,14.376 ; R26.2@73.66,14.376 v2(73.66,14.834) ; R25.2@78.105,14.377 v2(78.105,14.834)
  Bottom Layer w0.25: v2(59.923,53.162) 61.468,53.162 62.687,51.943 v2(69.19,51.943) ; v2(62.789,29.439) 62.789,30.607 63.119,30.937 v2(63.652,30.937)
  Bottom Layer w0.3: v2(55.855,29.439) v2(57.48,29.439) ; v2(58.445,45.72) 58.445,45.534 57.963,45.051 57.963,42.643 58.417,42.189 62.129,42.189 D9.2@62.185,42.245 62.185,41.752 62.814,41.123 v2(66.98,41.123) 68.103,42.245 D8.2@70.536,42.245 71.379,42.245 71.819,42.685 R21.2@72.491,42.685 73.533,43.727 73.533,47.65 73.228,47.955 70.104,47.955 69.19,48.87 v2(69.19,51.943) ; v2(65.71,23.47) 65.71,29.769 69.698,33.757 69.698,36.386 69.393,36.691 v2(68.809,36.691)
  Bottom Layer w0.4: v2(68.707,14.859) 73.635,14.859 v2(73.66,14.834) v2(78.105,14.834)
+3V3_RFID: FB3.2 R73.2 RFID1.8 | length 5.6
  Top Layer w0.4: FB3.2@32.879,8.433 33.092,8.433 R73.2@35.154,6.371 35.154,5.359 35.458,5.055 RFID1.8@35.458,3.988
+3V3_SD: C53.2 C54.2 L6.2 MicroSD.4 R48.2 R49.2 R50.2 R51.2 | length 26.2
  Top Layer w0.4: MicroSD.4@105.908,38.254 109.243,38.254 110.34,37.158 C53.2@110.34,30.993 ; R51.2@108.89,27.141 R50.2@110.795,27.141 R49.2@112.7,27.141 R48.2@114.605,27.141 L6.2@114.605,29.348 ; C54.2@110.34,29.235 110.34,30.861 C53.2@110.351,30.861 114.224,30.861 114.605,30.48 L6.2@114.605,29.348 ; L6.2@114.619,29.362 L6.2@114.605,29.348
+4V2: C5.2 C6.2 D2.1 L2.2 R2.2 | length 22
  Top Layer w1: R2.2@58.903,56.82 59.919,56.82 60.808,57.709 C6.2@62.586,57.709 C5.2@66.269,57.709 D2.1@69.987,57.709 69.987,62.127 L2.2@74.332,66.472
  other v10: 76.251,64.668
+4V_GSM: C39.1 C40.1 C41.1 C42.1 C43.1 D2.2 D5.1 M1.34 M1.35 R15.2 | length 68.3
  Top Layer w0.4: D2.2@74.487,57.709 74.487,55.993 75.286,55.194 D5.1@75.286,54.407 ; M1.35@99.21,61.045 99.21,59.768 99.365,59.614 100.228,59.614 100.31,59.696 M1.34@100.31,61.045 ; C43.1@100.787,66.065 100.965,65.888 102.718,65.888 103.774,66.944 R15.2@108.179,66.944
  Top Layer w0.6: M1.34@100.31,61.045 100.31,64.166 100.787,64.643 C43.1@100.787,66.065 100.787,69.779 C41.1@100.909,69.901 102.692,69.901 103.581,70.79 v11(103.581,70.841)
  Top Layer w0.8: C39.1@81.763,66.091 88.841,66.091 C40.1@88.875,66.125 v2(92.278,66.125) 93.641,66.125 C42.1@93.701,66.065
  Top Layer w1: D2.2@74.487,57.709 74.487,61.234 76.219,62.967 77.445,62.967 78.613,64.135 78.613,65.176 79.527,66.091 C39.1@81.763,66.091
  Bottom Layer w0.4: v2(92.278,66.125) 102.396,66.125 102.895,66.624 102.895,70.155 v11(103.581,70.841)
+5V: C7.2 C16.2 C17.2 C59.2 D11.2 IC1.16 IC2.3 J8.1 R1.2 R62.2 R63.2 R70.2 U1.1 U3.3 U5.3 U15.5 U15.6 | length 267.9
  Top Layer w0.3: R63.2@40.919,6.629 40.894,6.604 40.894,5.943 40.208,5.258 R62.2@40.208,4.483 40.805,4.483 41.25,4.039 41.25,2.083 41.478,1.854 46.025,1.854 v3(46.177,1.702) ; v2(81.444,21.641) 81.444,10.454 83.515,8.382 92.112,8.382 92.772,7.722 103.403,7.722 v2(103.861,8.179) ; v2(82.118,24.841) 83.48,24.841 R1.2@83.49,24.851 83.49,24.087 83.971,23.606 C7.2@85.612,23.606 85.612,24.297 86.462,25.146 86.462,26.746 87.39,27.675 U1.1@87.39,28.382
  Top Layer w0.4: v2(20.574,32.868) 20.574,25.883 23.012,23.444 26.695,23.444 28.499,21.641 28.499,14.224 28.296,14.021 C59.2@27.33,14.021 27.327,14.024 IC1.16@25.781,14.024 ; R63.2@40.919,6.629 v2(40.919,7.087)
  Top Layer w0.6: v3(17.831,43.79) 17.856,43.764 C16.2@17.856,42.977
  Top Layer w1: C16.2@17.856,42.977 17.856,42.469 18.643,41.682 U5.3@20.821,41.682 ; v2(37.389,47.041) 37.567,47.219 C17.2@39.065,47.219 39.13,47.154 U3.3@41.652,47.154
  Bottom Layer w0.3: v3(46.177,1.702) 46.507,1.372 101.524,1.372 102.133,1.981 102.133,3.353 103.835,5.055 v2@103.835,8.077 ; v2(81.444,21.641) 81.444,24.167 v2(82.118,24.841)
  Bottom Layer w0.4: 20.549,43.79 20.574,43.764 v2(20.574,32.868) ; v2(37.389,47.041) 38.1,46.33 38.1,32.791 40.919,29.972 v2(40.919,7.087) ; D11.2@104.533,2.506 107.264,5.238 107.264,6.172 106.909,6.528 U15.5@105.766,6.528
  Bottom Layer w0.6: IC2.3@13.005,52.654 17.069,52.654 17.831,51.892 v3(17.831,43.79) 20.549,43.79 35.865,43.79 36.779,44.704 36.779,46.431 v2(37.389,47.041) ; v2@103.835,8.077 104.435,7.478 U15.6@105.766,7.478 U15.5@105.766,6.528
  Bottom Layer w1: J8.1@3.251,56.083 3.48,55.855 R70.2@5.664,55.855 11.699,55.855 13.005,54.548 IC2.3@13.005,52.654
+5V_MCU: U14.16
+5V_USB: C60.2 C61.2 D11.1 USB1.1 | length 25.9
  Top Layer w0.3: v3(107.764,2.506) 108.653,2.506 108.991,2.845 C61.2@108.991,4.065 110.083,5.156 USB1.1@111.531,5.156 ; v3(108.382,8.837) C60.2@108.991,8.837
  Bottom Layer w0.3: v3(107.764,2.506) D11.1@109.033,2.506 114.901,2.506 115.748,3.353 115.748,6.274 114.529,7.493 110.668,7.493 109.323,8.837 v3(108.382,8.837)
+12V: C14.2 C15.2 D4.1 J5.4 J6.1 U4.3 U5.1 U16.1 | length 58.4
  Top Layer w0.6: J6.1@3.15,44.755 10.643,44.755 11.405,45.517 12.217,45.517 ; C15.2@15.621,45.517 12.217,45.517 ; U16.1@17.704,37.922 17.704,38.76 16.51,39.954 14.605,39.954 12.217,42.342 12.217,45.517
  Top Layer w1: J5.4@5.74,60.948 5.74,48.869 6.934,47.676 D4.1@15.596,47.676 ; C15.2@15.621,45.517 15.621,47.65 D4.1@15.596,47.676 ; U5.1@20.821,46.242 20.821,47.803 ; U4.3@21.106,50.851 20.821,50.566 20.821,47.803 ; D4.1@15.596,47.676 C14.2@17.983,47.676 20.694,47.676 20.821,47.803
+VCC_GPS: C44.2 C47.2 FB2.2 R17.2 R31.2 U8.8 | length 125
  Top Layer w0.4: v2(83.591,18.771) 83.591,15.85 v2(83.947,15.494) ; R31.2@102.345,13.64 102.37,13.665 v2(102.895,13.665) ; v2(110.261,66.421) R17.2@110.261,66.904
  Top Layer w0.5: FB2.2@85.703,19.183 87.726,19.183 C47.2@87.947,18.961 88.152,18.756 C44.2@88.152,16.856 ; v2(88.138,15.519) 88.152,15.534 C44.2@88.152,16.856 ; U8.8@91.113,16.733 88.275,16.733 C44.2@88.152,16.856
  Bottom Layer w0.4: v2(83.591,18.771) 83.668,18.771 83.718,18.821 97.18,18.821 98.374,20.015 98.374,30.988 96.774,32.588 90.5,32.588 89.459,33.63 89.459,41.377 86.843,43.993 86.843,61.011 87.935,62.103 103.378,62.103 107.696,66.421 v2(110.261,66.421) ; v2(83.947,15.494) 88.113,15.494 v2(88.138,15.519) 93.828,15.519 94.64,14.707 94.64,13.462 95.148,12.954 102.565,12.954 102.895,13.284 v2(102.895,13.665)
+VDC_INPUT: F1.1 J5.1 | length 18.3
  Top Layer w1.6: J5.1@5.74,72.948 8.764,72.948 9.74,71.971 9.74,61.634 11.074,60.3 F1.1@12.725,60.3
+VIN: C1.1 C2.1 C9.2 C10.2 C13.2 L1.3 U2.2 U4.1 | length 59.1
  Top Layer w0.6: C1.1@44.171,68.504 44.171,64.386 45.783,62.773 U2.2@47.404,62.773
  Top Layer w1: C13.2@17.729,56.82 18.618,55.931 U4.1@21.106,55.931 ; L1.3@27.803,70.662 29.961,68.504 C2.1@35.154,68.504 ; C9.2@37.948,63.83 C10.2@33.376,63.83 33.376,65.298 35.154,67.076 C2.1@35.154,68.504 ; C1.1@44.171,68.504 C2.1@35.154,68.504
  Top Layer w1.2: U4.1@21.106,55.931 23.444,55.931 24.714,57.201 24.714,69.723 25.653,70.662 L1.3@27.803,70.662
ADC_VIN_BAT: C67.2 D12.3 R71.2 R72.2 U6.9 | length 49.6
  Top Layer w0.25: v3(14.935,34.265) 15.443,33.757 36.17,33.757 37.609,32.317 45.407,32.317 45.572,32.152 51.167,32.152 51.642,31.678 U6.9@54.546,31.678
  Bottom Layer w0.25: D12.3@14.788,35.311 14.788,34.412 v3(14.935,34.265)
  Bottom Layer w0.4: R71.2@12.446,37.781 R72.2@14.529,37.781 15.33,37.781 15.748,37.363 C67.2@16.586,37.363 16.586,35.839 16.058,35.311 D12.3@14.788,35.311
Ctrl_PWR_GPS: R6.2 U6.50 | length 33.3
  Top Layer w0.25: U6.50@63.423,37.554 v2(63.424,39.04) v2(63.424,39.04) ; R6.2@81.143,30.82 R6.2@81.61,30.82
  Bottom Layer w0.25: v2(63.424,39.04) 72.517,39.04 76.733,43.256 80.239,43.256 80.899,42.596 80.899,31.064 v2(81.128,30.836)
Ctrl_PWR_GSM: R10.1 U6.62 | length 32.5
  Top Layer w0.25: R10.1@44.552,56.185 44.552,53.188 45.759,51.98 48.604,51.98 49.911,50.673 51.163,50.673 53.035,48.801 v3(53.035,46.177) ; v3(55.423,46.126) 55.931,46.634 59.106,46.634 59.715,46.025 59.715,42.418 57.423,40.125 U6.62@57.423,37.554
  Bottom Layer w0.25: v3(53.035,46.177) 55.372,46.177 v3(55.423,46.126)
D+: R67.1 U14.5 | length 66.1
  Top Layer w0.3: U14.5@49.877,7.232 51.772,7.232 52.629,6.375 52.629,2.769 53.442,1.956 104.246,1.956 105.237,2.946 105.237,6.533 105.967,7.263 R67.1@107.341,7.263
D-: R66.1 U14.6 | length 64.4
  Top Layer w0.3: U14.6@49.877,5.962 51.315,5.962 51.841,5.436 51.841,2.413 53.01,1.245 104.47,1.245 105.791,2.565 105.791,4.902 106.528,5.639 R66.1@107.341,5.639
DATA_IN1: C66.1 R68.1 U6.8 U16.4 | length 29.1
  Top Layer w0.25: R68.1@32.842,35.712 35.103,35.712 37.922,32.893 46.355,32.893 46.592,32.656 51.57,32.656 52.049,32.178 U6.8@54.546,32.178
  Top Layer w0.4: U16.4@27.864,37.922 30.582,37.922 C66.1@30.658,37.846 30.709,37.846 R68.1@32.842,35.712
DS18B20_IN: IC2.2 J8.2 R70.1 U6.11 | length 73.6
  Top Layer w0.25: v2(21.615,31.674) 21.615,32.309 22.022,32.715 36.17,32.715 37.236,31.648 50.775,31.648 51.745,30.678 U6.11@54.546,30.678
  Bottom Layer w0.5: J8.2@3.251,53.416 5.512,53.416 R70.1@5.664,53.569 6.706,54.61 10.008,54.61 10.465,54.153 IC2.2@10.465,52.654 10.465,44.831 11.532,43.764 16.104,43.764 18.288,41.58 18.288,32.766 19.456,31.598 21.539,31.598 v2(21.615,31.674)
Feedback_4V: R4.1 R7.2 U2.5 | length 6.4
  Top Layer w0.4: U2.5@52.637,60.233 52.637,59.123 54.204,57.556 R7.2@54.204,56.82 R4.1@56.566,56.82
FLASH_CLK: U6.34 U13.6 | length 8.1
  Top Layer w0.2: U6.34@65.799,28.678 67.385,28.678 67.894,28.169 67.894,24.257 68.332,23.819 U13.6@69.621,23.819
FLASH_DI: U6.36 U13.5 | length 7.7
  Top Layer w0.2: U6.36@65.799,29.678 68.468,29.678 69.621,28.525 U13.5@69.621,25.089
FLASH_DO: U6.35 U13.2 | length 17.7
  Top Layer w0.2: U6.35@65.799,29.178 v2(67.819,29.178)
  Top Layer w0.4: v2(76.2,22.555) 76.206,22.549 U13.2@77.521,22.549
  Bottom Layer w0.4: v2(67.819,29.178) 75.089,29.178 76.2,28.067 v2(76.2,22.555)
FLASH_SS: R55.1 U6.33 U13.1 | length 20.3
  Top Layer w0.2: U6.33@65.799,28.178 66.887,28.178 v2(66.904,28.194)
  Top Layer w0.4: v2(76.225,21.279) U13.1@77.521,21.279 77.521,18.93 R55.1@77.546,18.904
  Bottom Layer w0.4: v2(66.904,28.194) 75.006,28.194 75.54,27.661 75.54,21.965 v2(76.225,21.279)